# Allegro board arena_12-12_v5.brd (continued)
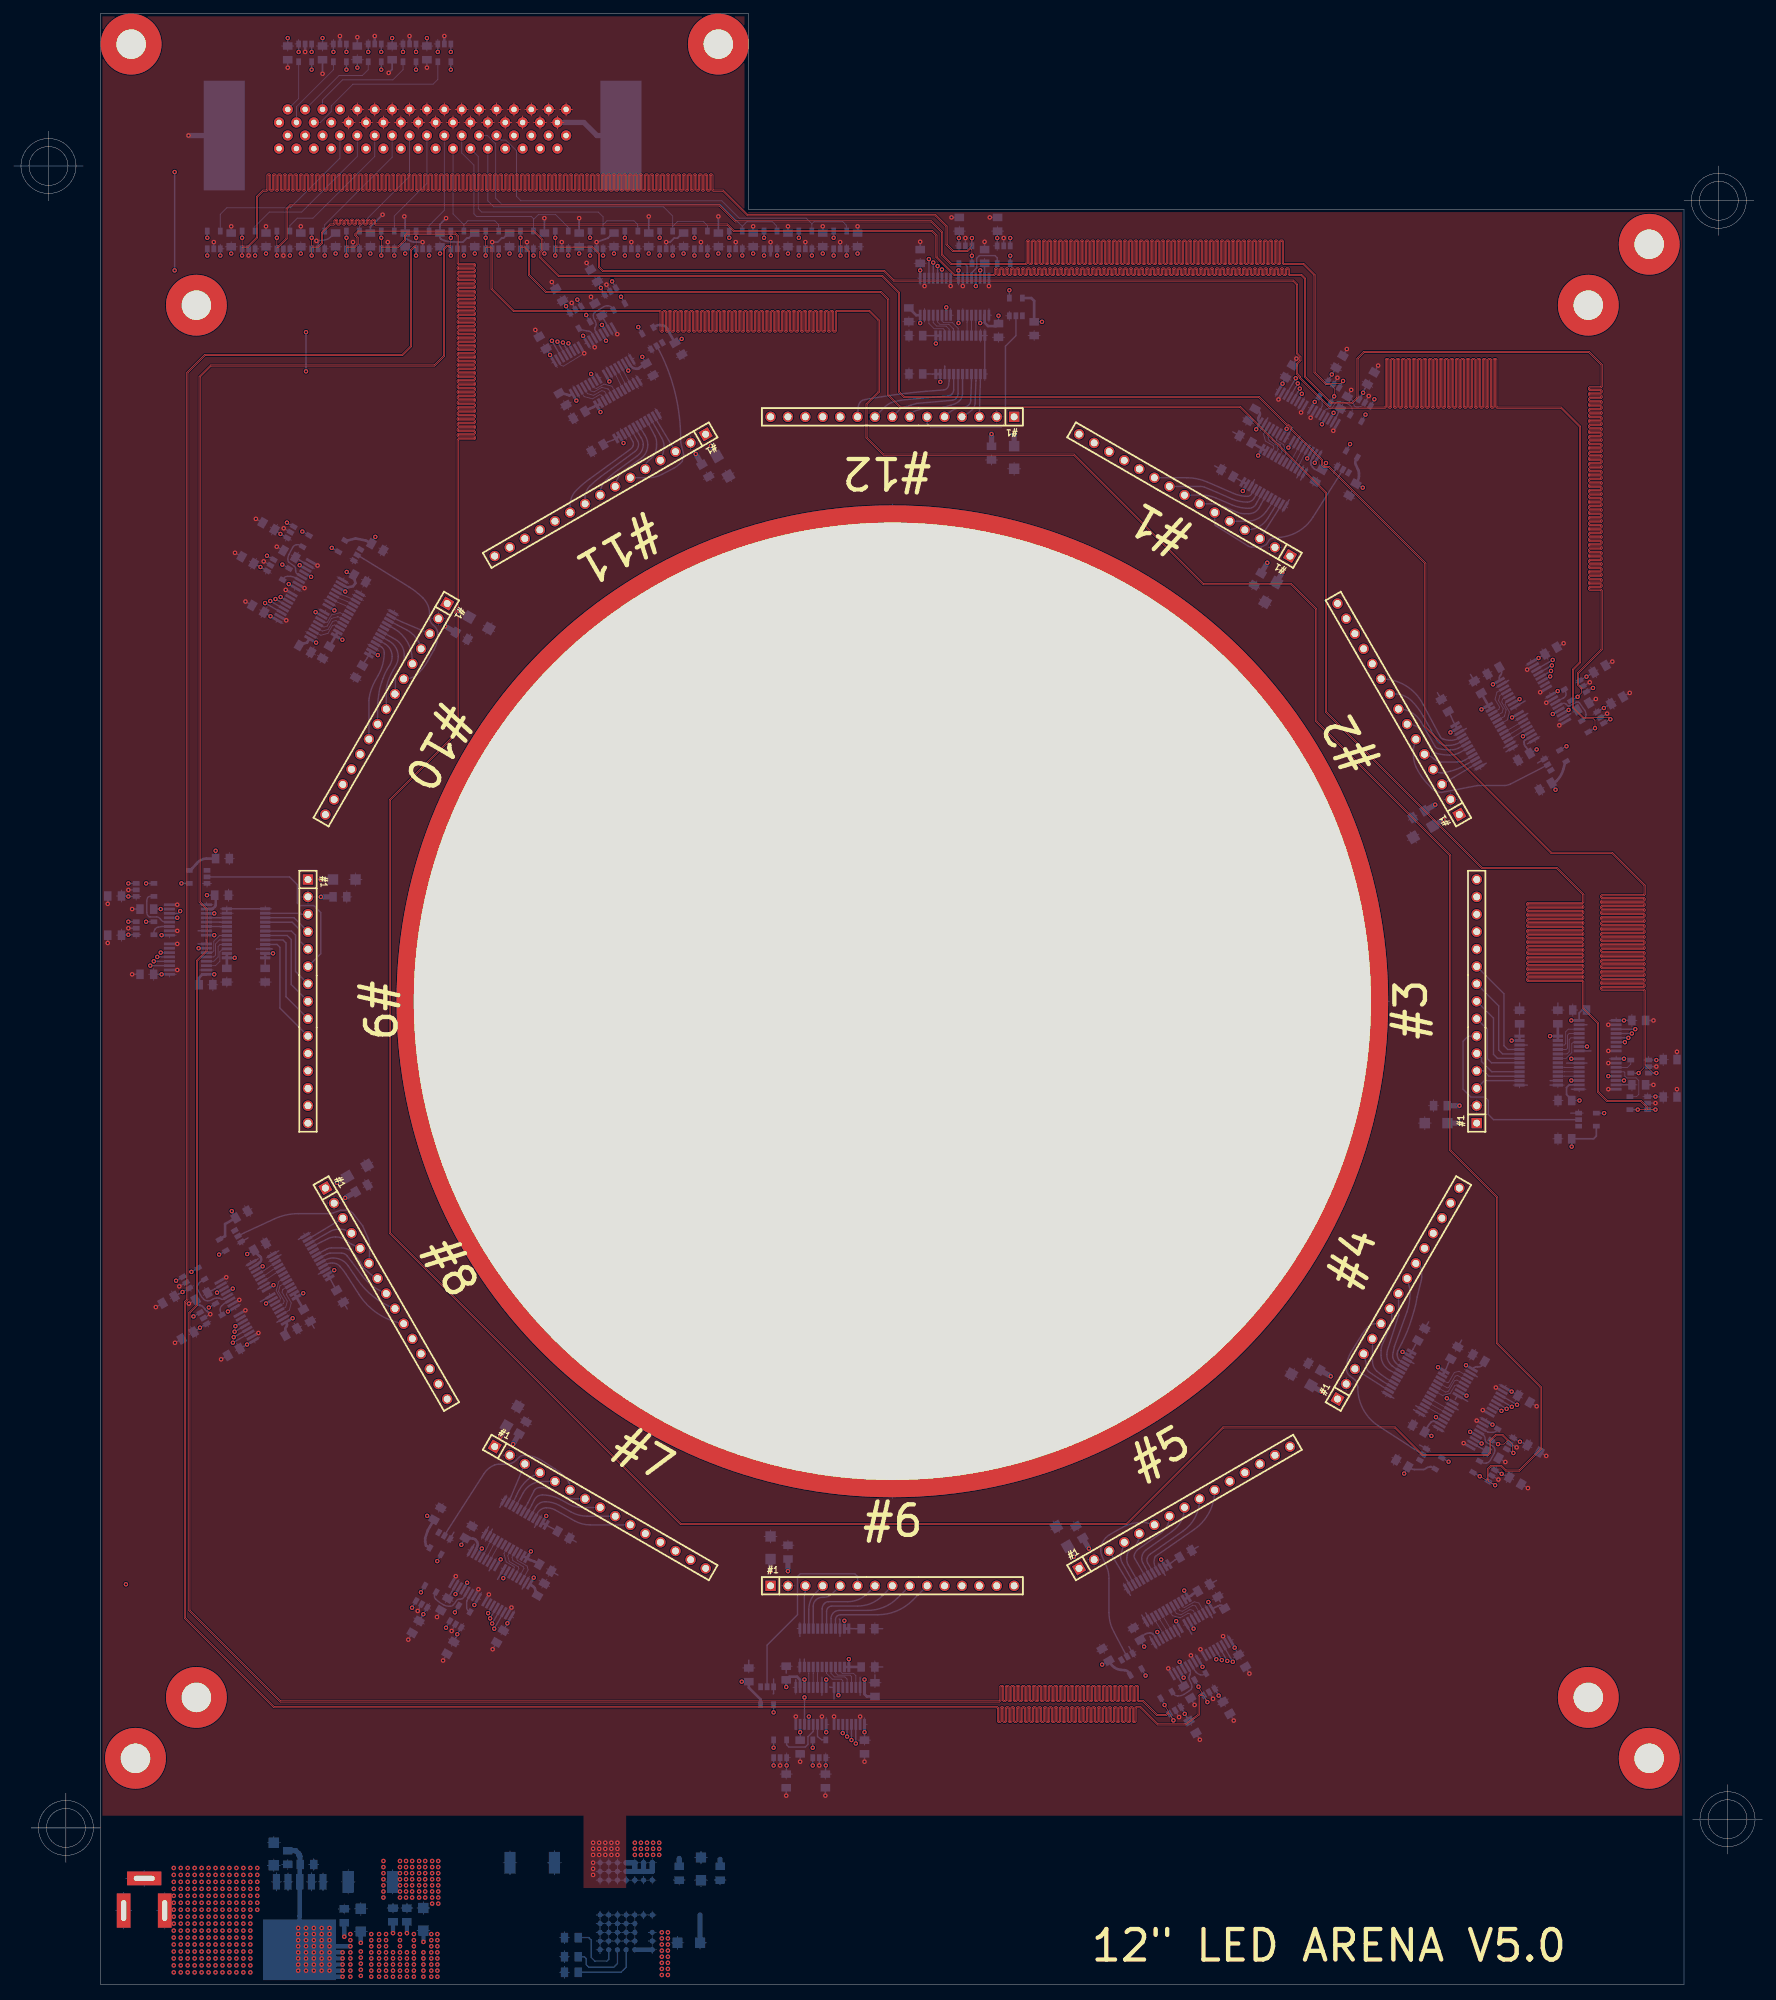
[diagram p0: board, top side]
## Routing (per net, layer and track width the routed paths; a pad name or vN(x,y) marks a point on that pad's centre or on a via; arc(x,y) is an arc through that point) (continued)
5XCS3: length 15
  BOTTOM w0.203: U41.21 53.61,195.29 arc(53.96,194.92) 54.09,194.43 arc(53.87,192.68) 53.19,191.05 52.8,190.37 arc(52.2,189.06) 51.87,187.65 arc(51.86,187.52) 51.85,187.39 J17.10
5XMISO: length 26.3
  BOTTOM w0.203: U29.2 50.46,208.47 arc(50.77,208.29) 51.08,208.1 57.68,204.01 arc(58.77,203.25) 59.76,202.36 59.77,202.36 arc(60.46,201.32) 60.71,200.1 60.71,199.48 arc(60.72,199.3) 60.76,199.13 60.76,199.12 arc(60.96,198.72) 61.27,198.4 arc(61.76,197.81) 61.93,197.06 arc(61.78,195.88) 61.34,194.77 60.45,193.2 arc(59.82,192.24) 59.07,191.38 arc(58.17,190.78) 57.1,190.56 J17.6
5XMOSI: length 7.4
  BOTTOM w0.203: 58.2,192.76 58.18,192.87 arc(58.17,192.92) 58.17,192.96 58.17,193.36 arc(57.48,195.95) 55.6,197.86 U41.16
5XRESET: length 6.2
  BOTTOM w0.203: J17.3 56.84,198.81 arc(55.95,199.22) 55.09,199.68
5XSCK: length 6.5
  BOTTOM w0.203: 54.76,199.12 55.19,198.87 arc(55.61,198.63) 56.05,198.4 57.34,197.74 arc(58.71,196.59) J17.4
6CS0: length 4.9
  BOTTOM w0.127: 84.32,233.77 84.73,233.05 85.07,232.96 86.17,233.6 87.32,233.29 87.85,232.36 arc(87.89,232.25) U42.6
6CS1: length 5
  BOTTOM w0.127: U6.12 84.26,232.59 84.72,232.47 85.86,233.12 86.73,232.89 86.74,232.88 86.82,232.86 87.29,232.04 arc(87.33,231.93) U42.5
6CS2: length 5
  BOTTOM w0.127: 83.22,233.13 83.76,232.2 84.66,231.96 85.84,232.64 86.26,232.53 86.73,231.71 arc(86.77,231.6) U42.4
6CS3: length 4.9
  BOTTOM w0.127: U6.14 83.27,231.77 84.49,231.44 85.53,232.05 85.83,231.97 86.16,231.39 arc(86.2,231.27) U42.3
6MISO: length 9.1
  PWR w0.127: v1(89.72,235.57) 89.72,239.03 arc(89.87,239.96) 90.31,240.79 v1(91.18,241.92)
  BOTTOM w0.203: 91.75,240.93 v1(91.18,241.92) ; 89.14,236.56 v1(89.72,235.57)
6MOSI: length 3.2
  BOTTOM w0.127: U18.14 87.99,234.75 88.56,233.59 89.03,232.78
6RESET: length 3.2
  BOTTOM w0.127: U18.12 89.09,235.38 89.68,234.24 90.15,233.43
6SCK: length 3.2
  BOTTOM w0.127: 88.04,235.93 88.54,235.06 89.12,233.92 89.59,233.1
6XCS0: length 11.3
  BOTTOM w0.203: 91.27,227.6 91.51,227.18 arc(91.76,226.76) 92.02,226.35 92.18,226.09 arc(92.47,225.43) 92.57,224.73 arc(92.3,223.6) 91.53,222.72 89.29,221.13 arc(88.29,220.05) J6.7
6XCS1: length 13
  BOTTOM w0.203: J6.8 85.62,217.54 arc(85.83,218.63) 86.44,219.55 arc(87.3,220.34) 88.22,221.07 91.06,223.13 arc(91.68,223.85) 91.9,224.77 91.9,224.78 arc(91.83,225.26) 91.63,225.71 91.5,225.92 arc(91.39,226.09) 91.28,226.28 U42.19
6XCS2: length 14.7
  BOTTOM w0.203: J6.9 83.42,217.01 arc(83.6,217.94) 84.13,218.73 arc(84.87,219.42) 85.66,220.05 90.69,223.75 arc(91,224.07) 91.19,224.47 arc(91.22,224.91) 91.08,225.32 90.14,226.95
6XCS3: length 16.3
  BOTTOM w0.203: 89.58,226.63 90.38,225.21 arc(90.47,224.91) 90.42,224.6 arc(90.26,224.31) 90.02,224.08 84.1,219.77 arc(83.08,218.97) 82.13,218.09 arc(81.45,217.08) 81.22,215.88 J6.10
6XMISO: length 25.8
  BOTTOM w0.203: U30.2 94.05,238.85 arc(94.22,238.53) 94.39,238.21 arc(96.61,232.07) 97.37,225.59 97.37,225.14 arc(97.37,225.11) 97.37,225.09 97.81,223.33 97.6,222.31 97.24,221.96 arc(96.86,221.63) 96.44,221.36 94.66,220.43 arc(93.68,220.05) 92.64,219.93 90.02,219.93
6XMOSI: length 7.9
  BOTTOM w0.203: J6.5 92.31,221.78 arc(92.46,222.18) 92.74,222.49 92.82,222.54 arc(93.63,223.55) 93.85,224.82 arc(93.81,225.45) 93.59,226.05 arc(93.13,226.94) 92.65,227.81 92.39,228.25
6XRESET: length 6
  BOTTOM w0.203: J6.3 94.01,228.06 U42.14
6XSCK: length 6.7
  BOTTOM w0.203: U42.15 94.62,225.71 arc(94.88,225.02) 94.93,224.28 arc(94.81,223.54) 94.57,222.82 J6.4
7CS0: length 4.7
  BOTTOM w0.127: U43.6 137.87,241.73 137.03,242.57 135.76,242.57 135.51,242.82 U7.11
7CS1: length 4.7
  BOTTOM w0.127: U7.12 134.87,242.65 135.21,242.32 136.53,242.32 137.16,241.68 137.16,241.67 137.22,241.61 U43.5
7CS2: length 4.7
  BOTTOM w0.127: U7.13 134.24,242.57 134.75,242.06 136.12,242.06 136.57,241.61 U43.4
7CS3: length 4.7
  BOTTOM w0.127: U7.14 133.6,242.44 134.37,241.68 135.69,241.68 135.92,241.45 U43.3
7MISO: length 9
  PWR w0.127: v1(145.35,247.29) 145.13,246.27 arc(144.73,245.37) 144,244.71 143.7,244.54 arc(142.54,243.77) 141.49,242.88 v1(141.1,242.5)
  BOTTOM w0.203: U31.4 v1(145.35,247.29) ; 141.1,243.65 v1(141.1,242.5)
7MOSI: length 3
  BOTTOM w0.127: U19.14 139.19,242.65 139.17,242.63 U43.8
7RESET: length 3
  BOTTOM w0.127: U19.12 140.46,242.65 140.47,242.65 U43.10
7SCK: length 3
  BOTTOM w0.127: U43.9 139.82,242.65 139.83,242.65 U19.13
7XCS0: length 12.2
  BOTTOM w0.203: U43.18 138.52,232.21 arc(138.41,231.66) 138.09,231.18 arc(137.63,230.83) 137.09,230.6 135.76,230.23 arc(135.38,230.15) 134.99,230.12 134.08,230.12 arc(132.54,229.96) 131.07,229.46 130.8,229.33 130.7,229.06 J19.7
7XCS1: length 13.7
  BOTTOM w0.203: U43.19 137.87,232.26 arc(137.83,231.97) 137.7,231.7 137.64,231.61 arc(137.37,231.35) 137,231.23 131.85,230.78 129.56,230.11 J19.8
7XCS2: length 15.2
  BOTTOM w0.203: J19.9 127.15,230.24 arc(127.85,230.77) 128.66,231.07 arc(129.54,231.24) 130.43,231.35 136.43,231.87 arc(136.74,231.97) 137,232.18 137.03,232.22 arc(137.17,232.47) 137.22,232.76 U43.20
7XCS3: length 17.3
  BOTTOM w0.203: J19.10 123.29,230.23 arc(123.37,230.61) 123.57,230.95 arc(123.86,231.2) 124.23,231.33 126.72,231.75 arc(129.93,232.21) 133.16,232.54 135.75,232.74 arc(136.24,232.96) 136.48,233.44 136.56,234.01 arc(136.57,234.09) 136.57,234.17 U43.21
7XMISO: length 29.1
  BOTTOM w0.203: J19.6 133.35,227.83 133.85,227.33 144.15,227.33 144.78,227.96 144.78,239.14 146.3,240.66 U31.2
7XMOSI: length 8.6
  BOTTOM w0.203: U43.16 139.82,234.11 arc(139.82,234.09) 139.82,234.07 139.72,231.17 arc(139.62,230.8) 139.38,230.5 arc(139.04,230.3) 138.66,230.2 138.11,230.12 arc(137.22,229.86) 136.46,229.34 J19.5
7XRESET: length 6.2
  BOTTOM w0.203: J19.3 141.12,234.09 U43.14
7XSCK: length 7.2
  BOTTOM w0.203: U43.15 140.47,234.11 arc(140.47,234.09) 140.47,234.07 140.35,230.79 arc(140.24,230.29) 139.95,229.87 arc(139.55,229.52) 139.11,229.22 J19.4
8CS0: length 4.9
  BOTTOM w0.127: U8.11 184.3,225.69 184.39,225.34 185.38,224.77 185.73,223.45 185.26,222.64 185.17,222.63 185.06,222.53
8CS1: length 4.9
  BOTTOM w0.127: U8.12 183.66,225.86 183.78,225.4 184.92,224.74 185.15,223.87 185.15,223.86 185.17,223.78 184.7,222.96 U44.5
8CS2: length 5
  BOTTOM w0.127: U44.4 184.14,223.29 184.61,224.1 184.46,224.64 183.28,225.33 183.07,226.1 183.61,227.04
8CS3: length 4.9
  BOTTOM w0.127: U8.14 182.46,226.31 182.74,225.27 183.88,224.61 183.96,224.29 183.57,223.61 183.37,223.5
8MISO: length 9.3
  PWR w0.127: v1(195.09,224.84) 192.1,224.84 arc(191.84,224.82) 191.58,224.77 191.14,224.66 arc(190.22,224.26) 189.48,223.58 v1(188.84,222.74)
  BOTTOM w0.203: 194.52,223.85 v1(195.09,224.84) ; 189.41,223.73 v1(188.84,222.74)
8MOSI: length 3.2
  BOTTOM w0.127: U20.14 U44.8
8RESET: length 3.2
  BOTTOM w0.127: U20.12 188.36,223.19 187.78,222.04 187.31,221.23
8SCK: length 3.2
  BOTTOM w0.127: 188.31,224.37 187.81,223.51 187.22,222.37 186.75,221.55
8XCS0: length 11.3
  BOTTOM w0.203: U44.18 182.58,216.93 arc(182.34,216.51) 182.1,216.08 181.82,215.57 arc(181.2,214.92) 180.33,214.68 179.64,214.68 arc(179.09,214.74) 178.56,214.9 176.56,215.76 arc(175.71,216.03) 174.82,216.12 J7.7
8XCS1: length 12.8
  BOTTOM w0.203: J7.8 173.47,217.39 arc(174.52,217.28) 175.52,216.97 177.87,215.96 arc(179.06,215.59) 180.3,215.46 arc(180.92,215.63) 181.37,216.09 181.54,216.4 arc(181.78,216.83) 182.02,217.25 182.26,217.68
8XCS2: length 14.2
  BOTTOM w0.203: J7.9 173.28,218.66 arc(173.57,218.63) 173.85,218.55 arc(174.75,218.18) 175.65,217.79 177.85,216.83 arc(178.94,216.49) 180.07,216.37 arc(180.68,216.54) 181.12,217 arc(181.21,217.16) 181.3,217.31 181.7,218
8XCS3: length 15.7
  BOTTOM w0.203: J7.10 171.23,219.93 arc(172.77,219.77) 174.25,219.3 178.09,217.63 arc(179.08,217.32) 180.11,217.21 arc(180.44,217.3) 180.68,217.54 181.14,218.33
8XMISO: length 26.8
  BOTTOM w0.203: U32.2 193.86,220.81 arc(193.68,220.5) 193.49,220.2 189.66,214.16 arc(187.35,211.99) 184.29,211.2 184.23,211.2 arc(184.15,211.2) 184.07,211.19 183.83,211.14 arc(183.47,210.99) 183.2,210.7 182.88,210.19 182.12,209.8 180.7,209.8 arc(180.47,209.83) 180.27,209.93 175.57,212.87 arc(175.48,212.93) 175.4,213 arc(175.34,213.08) 175.32,213.18 J7.6
8XMOSI: length 7.8
  BOTTOM w0.203: 183.95,216.71 183.7,216.28 arc(183.45,215.87) 183.17,215.47 182.82,214.98 arc(181.61,213.95) 180.07,213.58 177.52,213.58
8XRESET: length 5.9
  BOTTOM w0.203: U44.14 184.59,215.21 J7.3
8XSCK: length 6.7
  BOTTOM w0.203: U44.15 184.27,215.96 arc(184.02,215.54) 183.77,215.12 183.07,214 arc(181.89,212.84) 180.32,212.35 J7.4
9CS0: length 5
  BOTTOM w0.127: U45.6 217.12,184.05 218.05,184.59 218.36,185.73 217.72,186.83 217.81,187.18 U9.11
9CS1: length 5
  BOTTOM w0.127: U45.5 216.8,184.62 217.62,185.09 217.64,185.17 217.65,185.18 217.88,186.04 217.23,187.18 217.35,187.64 U9.12
9CS2: length 5
  BOTTOM w0.127: 217.89,188.69 216.96,188.15 216.76,187.4 217.44,186.22 217.29,185.65 216.47,185.18 U45.4
9CS3: length 5
  BOTTOM w0.127: U45.3 216.15,185.74 216.83,186.13 216.91,186.45 216.25,187.6 216.53,188.64 U9.14
9MISO: length 9.1
  PWR w0.127: v1(226.68,180.73) 226.68,180.73 arc(225.16,181.81) 223.34,182.19 v1(220.33,182.19)
  BOTTOM w0.203: U21.11 v1(220.33,182.19) ; 225.69,180.16 v1(226.68,180.73)
9MOSI: length 3.3
  BOTTOM w0.127: U21.14 217.54,182.75
9RESET: length 3.3
  BOTTOM w0.127: U21.12 220.14,182.82 219,182.1 218.19,181.63
9SCK: length 3.3
  BOTTOM w0.127: 217.86,182.19 218.68,182.66 219.82,183.37 220.69,183.86
9XCS0: length 11.4
  BOTTOM w0.203: 212.36,180.51 211.94,180.27 arc(211.52,180.03) 211.08,179.81 210.92,179.74 arc(210.31,179.52) 209.65,179.45 arc(208.68,179.51) 207.72,179.69 207.69,179.7 arc(207.19,179.94) 206.84,180.36 205.5,182.92 arc(205.44,183.03) 205.36,183.13 205.36,183.13 arc(204.77,183.63) 204.05,183.88 J3.7
9XCS1: length 13
  BOTTOM w0.203: U45.19 211.5,180.76 arc(211.19,180.59) 210.87,180.44 arc(210.31,180.26) 209.72,180.2 arc(208.82,180.25) 207.92,180.4 207.92,180.4 arc(207.68,180.52) 207.51,180.71 205.45,184.29 arc(204.08,185.66) 202.21,186.16 J3.8
9XCS2: length 14.7
  BOTTOM w0.203: 211.71,181.64 211.14,181.31 arc(210.31,180.96) 209.42,180.85 209.16,180.85 arc(208.3,181.08) 207.69,181.71 205.76,185.13 arc(204.99,186.31) 204.07,187.37 arc(202.97,188.1) 201.66,188.36 J3.9
9XCS3: length 16.3
  BOTTOM w0.203: 211.39,182.2 210.82,181.87 arc(210.32,181.66) 209.79,181.6 arc(209.3,181.63) 208.83,181.74 208.66,181.79 arc(208.44,181.9) 208.28,182.1 205.67,186.98 arc(203.18,189.6) 199.7,190.56 J3.10
9XMISO: length 25.9
  BOTTOM w0.203: U33.2 223.61,177.86 arc(223.29,177.68) 222.97,177.52 218.49,175.21 arc(218.07,175.06) 217.62,175.01 213.72,175.01 208.41,174 arc(207.61,174.17) 206.95,174.67 206.84,174.8 arc(205.65,176.14) 204.74,177.67 arc(204.44,178.51) 204.34,179.4 204.34,180.47 204.69,181.76
9XMOSI: length 7.6
  BOTTOM w0.203: 213.01,179.39 211.9,178.74 arc(211.34,178.51) 210.75,178.44 208.41,178.44 arc(207.84,178.55) 207.35,178.87 arc(206.88,179.24) 206.32,179.47 J3.5
9XRESET: length 6
  BOTTOM w0.203: U45.14 212.82,177.77 J3.3
9XSCK: length 6.7
  BOTTOM w0.203: J3.4 207.78,177.02 arc(208.09,176.89) 208.41,176.84 208.6,176.84 arc(208.69,176.85) 208.77,176.87 209.73,177.09 arc(210.74,177.42) 211.7,177.88 U45.15
10CS0: length 4.9
  BOTTOM w0.127: U46.6 226.62,135.18 227.46,136.02 227.46,137.33 227.67,137.54 U10.11
10CS1: length 5.1
  BOTTOM w0.127: U46.5 226.76,135.83 227.08,136.14 227.08,137.92 227.33,138.18 U10.12
10CS2: length 5.2
  BOTTOM w0.127: U10.13 227.08,138.81 226.82,138.56 226.82,136.65 226.65,136.48 U46.4
10CS3: length 5.1
  BOTTOM w0.127: U46.3 226.37,137.13 226.57,137.33 226.57,139.06 226.95,139.45 U10.14
10MISO: length 10.1
  PWR w0.127: v1(227.39,131.95) 229.65,131.53 arc(230.65,131.14) 231.46,130.43 arc(231.98,129.48) 232.17,128.41 v1(232.18,127.19)
  BOTTOM w0.203: U22.11 v1(227.39,131.95) ; U34.4 v1(232.18,127.19)
10MOSI: length 3.1
  BOTTOM w0.127: U46.8 226.37,133.88 226.39,133.86 U22.14
10RESET: length 3.1
  BOTTOM w0.127: U46.10 226.37,132.58 226.37,132.59 U22.12
10SCK: length 3.1
  BOTTOM w0.127: 228.53,133.22 226.37,133.22 226.37,133.23 U46.9
10XCS0: length 11.4
  BOTTOM w0.203: J9.7 215.14,139.41 215.14,135.13 215.73,134.53 U46.18
10XCS1: length 12.8
  BOTTOM w0.203: U46.19 216.61,135.18 216.03,135.76 216.03,141.06 J9.8
10XCS2: length 14.3
  BOTTOM w0.203: U46.20 217.36,135.83 216.79,136.4 216.79,142.84 J9.9
10XCS3: length 15.7
  BOTTOM w0.203: U46.21 218.1,136.48 217.55,137.03 217.55,144.62 J9.10
10XMISO: length 29.2
  BOTTOM w0.203: J9.6 212.34,138.43 211.58,137.67 211.58,130.68 212.73,129.54 214.76,129.54 215.27,129.03 215.27,127 216.03,126.24 U34.2
10XMOSI: length 7.6
  BOTTOM w0.203: U46.16 215.77,133.23 214.28,134.72 214.28,135.19 J9.5
10XRESET: length 6.7
  BOTTOM w0.203: J9.3 214.7,131.93 U46.14
10XSCK: length 6.6
  BOTTOM w0.203: J9.4 214.57,133.35 215.34,132.58 U46.15
11CS0: length 5.2
  BOTTOM w0.127: U11.11 210.67,87.5 210.38,87.43 209.72,86.29 208.57,85.98 207.54,86.58 207.4,86.72 207.29,86.72
11CS1: length 5.4
  BOTTOM w0.127: U47.5 207.73,87.28 207.87,87.14 209.02,86.48 209.45,86.59 210.34,88.13 210.69,88.22 U11.12
11CS2: length 5.5
  BOTTOM w0.127: 212.05,88.17 210.79,88.9 210.44,88.81 209.49,87.16 209.25,87.09 208.19,87.71 208.05,87.85 U47.4
11CS3: length 5.3
  BOTTOM w0.127: U11.14 211,89.51 210.31,89.33 209.48,87.9 209.26,87.84 208.52,88.27 208.38,88.41 208.26,88.41
11MISO: length 9.6
  PWR w0.127: v1(209.47,76.31) 209.47,80.84 arc(209.45,81.03) 209.4,81.21 arc(209.1,81.73) 208.65,82.14 v1(207.63,82.82)
  BOTTOM w0.203: 208.48,76.88 v1(209.47,76.31) ; U23.11 v1(207.63,82.82)
11MOSI: length 3.4
  BOTTOM w0.127: U23.14 U47.8
11RESET: length 3.4
  BOTTOM w0.127: U23.12 205.99,84.47
11SCK: length 3.4
  BOTTOM w0.127: 209.26,83.35 206.31,85.03
11XCS0: length 11.4
  BOTTOM w0.203: U47.18 201.58,89.27 arc(201.27,89.44) 200.95,89.61 arc(199.97,90.53) 199.61,91.83 199.61,92.55 arc(199.66,92.97) 199.79,93.38 200.89,95.93 arc(201.1,96.59) 201.17,97.28 201.17,98.49 arc(201.15,98.57) 201.11,98.64 201.09,98.66 J2.7
11XCS1: length 12.5
  BOTTOM w0.203: J2.8 202.18,98.97 202.18,97.74 arc(202.18,97.71) 202.17,97.68 200.55,92.63 arc(200.48,92.29) 200.46,91.94 arc(200.66,91.02) 201.25,90.28 201.28,90.26 arc(201.6,90.02) 201.94,89.81 202.44,89.52
11XCS2: length 14.1
  BOTTOM w0.203: 202.76,90.08 202.06,90.49 arc(201.93,90.58) 201.81,90.7 201.68,90.85 arc(201.45,91.2) 201.31,91.6 201.31,91.61 arc(201.32,91.94) 201.38,92.27 201.57,93.13 arc(201.57,93.15) 201.57,93.16 203.39,98.17 arc(203.72,99.46) 203.84,100.79 203.84,101.5 J2.9
11XCS3: length 16.1
  BOTTOM w0.203: J2.10 204.95,105.11 arc(205.39,104.67) 205.55,104.07 205.55,103.26 arc(205.53,102.98) 205.47,102.71 204.87,100.33 arc(204.71,99.38) 204.47,98.45 204.05,97.07 arc(203.43,95.34) 202.67,93.67 202.07,92.51 arc(201.99,92.28) 201.96,92.04 arc(202.02,91.59) 202.21,91.19 202.22,91.18 arc(202.25,91.14) 202.29,91.11 203.09,90.64
11XMISO: length 26.8
  BOTTOM w0.203: J2.6 198.84,96.46 arc(198.22,96.33) 197.69,95.98 arc(197.25,95.48) 196.86,94.94 195.29,92.41 arc(194.75,91.18) 194.56,89.84 arc(194.72,89.22) 195.15,88.76 arc(195.32,88.64) 195.48,88.51 195.79,88.26 arc(196.03,87.98) 196.15,87.63 196.2,87.33 arc(196.21,87.25) 196.22,87.17 196.22,87.11 arc(197.02,83.93) 199.25,81.52 204.83,77.91 arc(205.13,77.72) 205.45,77.54 205.76,77.36
11XMOSI: length 7.9
  BOTTOM w0.203: 201.47,87.83 201.04,88.08 arc(199.99,88.75) 199.02,89.52 arc(198.54,90.16) 198.37,90.94 198.37,94.15 arc(198.36,94.21) 198.34,94.26
11XRESET: length 5.9
  BOTTOM w0.203: J2.3 199.97,87.19 U47.14
11XSCK: length 6.7
  BOTTOM w0.203: J2.4 197.46,90.6 197.46,90.23 arc(197.58,89.75) 197.92,89.37 199.89,88.03 arc(200.3,87.76) 200.72,87.51 U47.15
12CS0: length 5
  BOTTOM w0.127: U48.6 168.69,54.66 169.16,53.84 170.3,53.53 171.44,54.19 171.73,54.11 172.22,53.25
12CS1: length 5.1
  BOTTOM w0.127: U48.5 169.25,54.98 169.73,54.15 170.4,53.97 171.72,54.73 172.17,54.61 U12.12
12CS2: length 5.2
  BOTTOM w0.127: U48.4 169.81,55.31 170.23,54.57 170.6,54.48 172.14,55.37 172.53,55.26 173.32,53.89
12CS3: length 5.1
  BOTTOM w0.127: U12.14 173.02,55.69 172.34,55.87 170.92,55.05 170.68,55.11 170.38,55.63 U48.3
12MISO: length 9.2
  PWR w0.127: v1(166.95,51.45) 166.95,48.02 arc(166.73,46.9) 166.09,45.95 v1(165.24,45.1)
  BOTTOM w0.203: U24.11 v1(166.95,51.45) ; 164.67,46.09 v1(165.24,45.1)
12MOSI: length 3.3
  BOTTOM w0.127: U24.14 167.51,54.24
12RESET: length 3.3
  BOTTOM w0.127: U24.12 167.58,51.64 166.86,52.78 166.39,53.59
12SCK: length 3.3
  BOTTOM w0.127: 168.62,51.09 168.13,51.96 167.42,53.1 166.95,53.92
12XCS0: length 11.7
  BOTTOM w0.203: J8.7 168.72,68.35 arc(168.38,66.93) 167.41,65.83 164.26,63.62 arc(163.84,63.21) 163.58,62.67 arc(163.56,62.44) 163.64,62.22 165.27,59.42
12XCS1: length 12.9
  BOTTOM w0.203: J8.8 170.92,69.61 arc(170.45,67.67) 169.15,66.17 165.34,63.45 arc(164.84,62.88) 164.67,62.15 arc(164.7,61.86) 164.8,61.59 165.12,61 arc(165.35,60.59) 165.58,60.18 U48.19
12XCS2: length 14.5
  BOTTOM w0.203: 166.4,60.07 165.56,61.5 arc(165.44,61.86) 165.48,62.23 arc(165.66,62.57) 165.94,62.84 170.73,66.22 arc(172.49,68.23) 173.12,70.82 J8.9
12XCS3: length 15.9
  BOTTOM w0.203: 166.96,60.39 166.72,60.81 arc(166.48,61.59) 166.62,62.39 arc(166.67,62.48) 166.74,62.54 172.33,66.43 arc(174.53,68.92) 175.32,72.15 J8.10
12XMISO: length 26.1
  BOTTOM w0.203: 166.52,67.09 165.23,67.44 164.51,67.44 arc(163.28,67.29) 162.12,66.86 arc(161.05,66.28) 159.99,65.66 159.98,65.66 arc(159.03,64.69) 158.69,63.38 arc(158.73,63) 158.83,62.63 159.53,61.03 arc(159.8,60.18) 159.89,59.3 159.89,54.29 arc(160.07,52.86) 160.58,51.52 162.02,48.81 arc(162.19,48.49) 162.37,48.17 U36.2
12XMOSI: length 8.1
  BOTTOM w0.203: J8.5 164.33,65.67 arc(164.01,64.45) 163.15,63.54 163.08,63.49 arc(162.71,63.12) 162.53,62.62 162.5,62.29 arc(162.52,61.74) 162.72,61.22 164.15,58.77
12XRESET: length 6
  BOTTOM w0.203: U48.14 162.53,58.96 J8.3
12XSCK: length 6.7
  BOTTOM w0.203: J8.4 161.58,62.52 161.58,62.51 arc(161.65,62.01) 161.83,61.53 U48.15
CS0: length 892.6
  LAYER 2 w0.203: v1(32.36,96.1) 29.63,96.1 27.65,98.08 23.59,98.08 22.99,98.68 22.99,149.1 v1(21.46,150.62) 20.83,151.26 20.83,158.37 22.23,159.77 22.23,197.23 23.11,198.12 37.97,198.12 38.97,199.12 v1(38.97,202.52) 37.53,203.96 21.84,203.96 20.83,204.98 20.83,236.35 21.72,237.24 80.26,237.24 80.98,237.95 v1(80.98,239.54) 81.13,240.08 81.13,241.2 80.52,241.81 79.63,241.81 79.12,242.32 79.12,246.84 80.39,248.11 80.39,252.6 80.65,252.86 80.65,269.88 95.12,269.88 95.89,269.11 95.89,255.4 96.77,254.51 96.77,247.78 97.28,247.27 134.87,247.27 135.51,247.9 v1(135.51,250.32) 135.51,250.88 135.71,251.08 182.75,251.08 183.39,250.44 183.39,232.66 183.57,232.49 186.48,232.49 186.79,232.18 v1(188.04,232.18) 191.11,232.18 192.79,230.5 222.5,230.5 223.14,229.87 223.14,193.87 223.16,193.85 223.16,192.06 v1(224.3,190.92) 228.43,190.92 228.98,190.37 228.98,189.1 229.62,188.47 234.82,188.47 236.35,186.94 236.35,143.13 234.19,140.97 234.19,138.56 v1(235.2,137.54) 234.31,136.65 234.31,90.17 233.81,89.66 219.71,89.66 217.42,87.38 217.42,84.62 217.19,84.39 v1(217.19,83.74) 217.19,79.99 217.68,79.5 217.68,77.6 218.95,76.33 218.95,50.8 218.19,50.04 179.96,50.04 179.71,50.29 176.91,50.29 175.7,49.08 175.7,48.02 v1(175.56,47.48) 175.56,44.49 173.1,42.04 173.1,37.08 172.47,36.45 172.47,30.35 171.7,29.59 126.87,29.59 126.11,30.35 126.11,36.96 124.97,38.1 122.43,38.1 v1(121.03,36.7) 121.03,30.61 120.02,29.59 73.28,29.59 71.88,30.99 71.88,47.37 72.64,48.13 72.64,53.09 71.25,54.48 70.28,54.48 v1(69.26,54.21)
  BOTTOM w0.203: U7.6 v1(135.51,250.32) ; U9.6 v1(224.3,190.92) ; U11.6 v1(217.19,83.74) ; U3.6 v1(32.36,96.1) ; U8.6 v1(188.04,232.18) ; U10.6 v1(235.2,137.54) ; U4.6 v1(21.46,150.62) ; U1.6 v1(121.03,36.7) ; U2.6 v1(69.26,54.21) ; U5.6 v1(38.97,202.52) ; 81.62,238.44 v1(80.98,239.54) ; 174.92,48.58 v1(175.56,47.48)
CS1: length 914.5
  LAYER 2 w0.203: v1(69.56,53.45) 69.57,53.47 70.36,53.47 71.76,52.07 71.76,48.26 70.74,47.24 70.74,30.35 72.26,28.83 120.65,28.83 121.67,29.84 v1(121.67,36.19) 122.86,37.39 124.54,37.39 125.35,36.58 125.35,29.34 125.86,28.83 172.97,28.83 173.72,29.57 173.72,40.98 173.7,40.99 173.7,41.46 173.72,41.48 173.72,41.76 176.36,44.41 v1(176.36,47.36) 176.36,49.11 177.04,49.78 179.32,49.78 179.96,49.15 218.82,49.15 219.71,50.04 219.71,73.53 220.47,74.29 220.47,80.01 219.84,80.64 218.57,80.64 217.95,81.26 v1(217.95,84.03) 217.95,86.76 220.22,89.03 235.59,89.03 236.35,89.79 236.35,137.54 v1(235.71,138.18) 235.32,138.57 235.32,139.81 237.24,141.73 237.24,190.37 236.35,191.26 230.5,191.26 230.04,191.73 v1(224.42,191.73) 223.72,192.43 223.72,195.28 224.03,195.58 224.03,233.3 223.39,233.93 196.85,233.93 196.34,233.43 196.34,232.54 195.83,232.03 193.55,232.03 192.64,232.93 v1(187.75,232.93) 184.77,232.93 184.15,233.56 184.15,250.82 183.21,251.76 135.18,251.76 134.87,251.46 v1(134.87,250.82) 134.87,249.17 134.24,248.54 99.44,248.54 98.81,249.17 98.81,253.37 96.65,255.52 96.65,270 95.63,271.02 80.4,271.02 79.38,269.99 J26.36 79.38,256.29 78.5,255.41 78.5,254.11 79.62,252.99 79.62,248.27 78.23,246.89 78.23,241.81 78.87,241.17 79.63,241.17 80.26,240.54 80.26,239.75 v1(80.18,239.66) 80.18,239.05 79.63,238.51 21.34,238.51 19.94,237.11 19.94,204.09 21.08,202.95 37.49,202.95 v1(38.21,202.22) 38.21,199.37 37.72,198.88 21.97,198.88 21.08,197.99 21.08,159.77 20.07,158.75 20.07,150.88 v1(20.96,149.99) 22.23,148.72 22.23,96.14 23.07,95.29 v1(32.24,95.29)
  BOTTOM w0.203: U2.5 v1(69.56,53.45) ; U6.5 v1(80.18,239.66) ; U12.5 v1(176.36,47.36) ; U7.5 v1(134.87,250.82) ; U3.5 v1(32.24,95.29) ; U8.5 v1(187.75,232.93) ; U11.5 v1(217.95,84.03) ; U10.5 v1(235.71,138.18) ; U5.5 v1(38.21,202.22) ; U1.5 v1(121.67,36.19) ; U9.5 v1(224.42,191.73) ; U4.5 v1(20.96,149.99)
CS2: length 932.9
  LAYER 2 w0.203: v1(69.85,52.69) 69.86,52.7 70.49,52.7 70.99,52.2 70.99,48.51 69.98,47.5 69.98,29.46 71.31,28.13 121.73,28.13 122.3,28.7 v1(122.3,35.69) 122.7,36.08 123.05,36.08 123.65,35.48 123.65,29.01 124.33,28.32 176.02,28.32 176.69,28.99 176.69,46.76 v1(177.17,47.23) 178.32,48.39 219.46,48.39 220.47,49.4 220.47,73.15 221.11,73.79 221.11,80.64 220.6,81.15 219.46,81.15 218.7,81.9 v1(218.7,84.33) 218.54,84.94 221.74,88.14 237.11,88.14 238.12,89.15 238.12,138.18 237.49,138.81 v1(236.22,138.81) 235.82,139.21 235.82,139.42 236.41,140 237.16,140 238.12,140.97 238.12,191.13 237.36,191.9 231.14,191.9 230.5,192.53 v1(224.55,192.53) 224.05,193.02 224.05,194.34 224.66,194.94 224.66,234.57 223.65,235.58 189.35,235.58 v1(187.45,233.69) 186.91,233.55 186.31,234.15 186.31,252.35 185.29,253.37 135.26,253.37 134.24,252.35 v1(134.24,251.33) 134.24,249.56 133.6,248.92 101.22,248.92 100.58,249.56 100.58,252.73 97.92,255.4 97.92,271.4 96.65,272.67 79.88,272.67 79.76,272.8 78.61,272.8 78.11,272.29 78.11,249.17 77.47,248.54 77.47,241.17 77.98,240.66 78.87,240.66 v1(79.38,239.79) 79.23,239.25 20.68,239.25 19.05,237.62 19.05,203.45 20.09,202.42 36.61,202.42 v1(37.45,201.93) 37.45,200.52 36.96,200.02 21.21,200.02 19.94,198.75 19.94,159.77 18.67,158.5 18.67,151.13 v1(20.45,149.35) 20.84,148.96 20.84,101.08 21.59,100.33 21.59,95.38 22.35,94.61 31.23,94.61 31.64,94.21 v1(32.12,94.49)
  BOTTOM w0.203: 176.02,49.21 v1(177.17,47.23) ; 80.52,237.81 v1(79.38,239.79) ; U2.4 v1(69.85,52.69) ; U3.4 v1(32.12,94.49) ; U9.4 v1(224.55,192.53) ; U1.4 v1(122.3,35.69) ; U10.4 v1(236.22,138.81) ; U5.4 v1(37.45,201.93) ; U4.4 v1(20.45,149.35) ; U7.4 v1(134.24,251.33) ; 216.73,85.47 v1(218.7,84.33) ; 186.31,231.71 v1(187.45,233.69)
CS3: length 924.6
  LAYER 2 w0.203: 123.95,27.69 122.94,28.7 v1(122.94,35.18) ; 123.95,27.69 176.4,27.69 177.17,28.45 177.17,46.3 v1(177.97,47.11) 178.86,47.62 220.73,47.62 221.68,48.58 221.68,81.22 220.98,81.91 219.96,81.91 219.46,82.42 v1(219.46,84.63) 222.21,87.38 237.49,87.38 238.76,88.65 238.76,138.68 238,139.45 237.87,139.45 ; 123.95,27.69 123.83,27.69 122.94,26.8 71.37,26.8 69.36,28.81 69.36,51.15 v1(70.15,51.94) ; 237.87,139.45 238.76,140.33 238.76,191.9 238.12,192.53 231.78,192.53 230.97,193.34 v1(224.67,193.34) 224.82,193.88 225.43,194.49 225.43,235.33 223.77,236.98 189.69,236.98 v1(187.15,234.45) 187.15,236.62 186.7,237.08 186.7,237.55 187.15,238.01 187.15,252.9 186.25,253.81 134.55,253.81 133.86,253.11 ; 237.87,139.45 v1(236.73,139.45) ; 18.29,203.07 18.29,162.94 17.85,162.5 17.85,150.81 v1(19.94,148.72) 19.94,93.22 20.83,92.33 30.64,92.33 v1(32,93.68) ; 18.29,203.07 20.19,201.17 35.83,201.17 36.15,201.49 v1(36.7,201.63) ; 18.29,203.07 18.29,238.25 19.95,239.91 77.34,239.91 ; 133.86,253.11 133.6,253.37 133.6,255.02 132.97,255.65 99.82,255.65 98.93,256.54 98.93,273.56 97.54,274.95 77.22,274.95 76.84,274.57 76.84,273.3 75.82,272.29 75.82,271.14 76.84,270.13 J26.38 76.84,240.41 77.34,239.91 ; 133.86,253.11 133.6,252.86 v1(133.6,251.84) ; v1(78.57,239.91) 77.34,239.91
  BOTTOM w0.203: U7.3 v1(133.6,251.84) ; 185.76,232.03 v1(187.15,234.45) ; U5.3 v1(36.7,201.63) ; U1.3 v1(122.94,35.18) ; U11.3 v1(219.46,84.63) ; U12.3 v1(177.97,47.11) ; U2.3 v1(70.15,51.94) ; U6.3 v1(78.57,239.91) ; U10.3 v1(236.73,139.45) ; U4.3 v1(19.94,148.72) ; 34.42,95.08 v1(32,93.68) ; U9.3 v1(224.67,193.34)
